# Altium PCB matrix.PcbDoc (part 3 of 5)
Units mm, origin at the board's own origin, x right, y up, seen from the top; angles counter-clockwise.
Board outline 350 x 105 mm, 2 copper layers (Top Layer, Bottom Layer), stack 1.571 mm thick; 187 components, 143 nets, 1443 pads, 602 vias.
Unrouted connection lines stored in the file: 3.
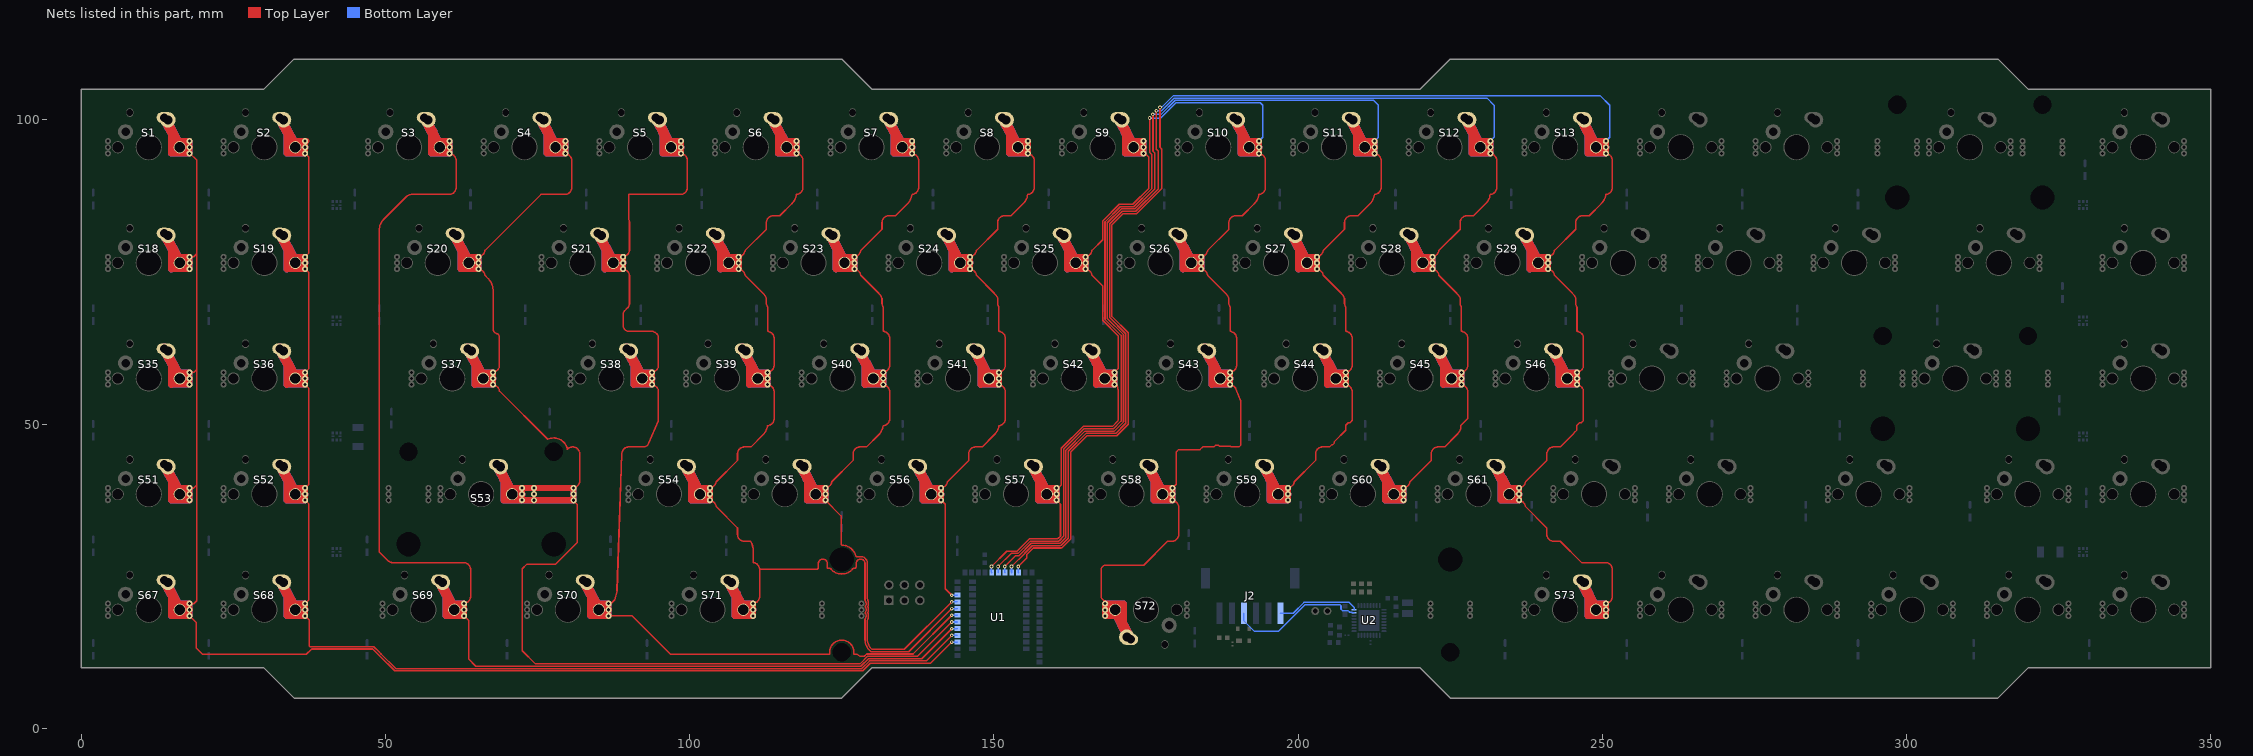
[diagram p3: the nets of this part, all layers, seen from the top]

## Footprints (in the part's own frame and the unit in brackets; to place one, negate y for a bottom-side part, rotate by r counter-clockwise, add the part's x,y. Pads: shape width x height; smd on the part's side, far side on the other; paste and mask are expansions set on the pad) (continued)
HOLYIOT-21069-NRF5340 [mm]
  rect 1x0.8 smd: 1(-6.75,6.25) 2(-6.75,5.15) 3(-6.75,4.05) 4(-6.75,2.95) 5(-6.75,1.85) 6(-6.75,0.75) 7(-6.75,-0.35) 8(-6.75,-1.45) 9(-6.75,-2.55) 10(-6.75,-3.65) 11(-6.75,-4.75) 12(-6.75,-5.85) 24(6.75,-5.85) 25(6.75,-4.75) 26(6.75,-3.65) 27(6.75,-2.55) 28(6.75,-1.45) 29(6.75,-0.35) 30(6.75,0.75) 31(6.75,1.85) 32(6.75,2.95) 33(6.75,4.05) 34(6.75,5.15) 35(6.75,6.25) 36(6.75,7.35)
  rect 0.8x1 smd: 13(-5.5,-7.35) 14(-4.4,-7.35) 15(-3.3,-7.35) 16(-2.2,-7.35) 17(-1.1,-7.35) 18(0,-7.35) 19(1.1,-7.35) 20(2.2,-7.35) 21(3.3,-7.35) 22(4.4,-7.35) 23(5.5,-7.35)
  rect 1.1x0.8 smd: 37(-4.25,5.15) 38(-4.25,4.05) 39(-4.25,2.95) 40(-4.25,1.85) 41(-4.25,0.75) 42(-4.25,-0.35) 43(-4.25,-1.45) 44(-4.25,-2.55) 45(-4.25,-3.65) 46(-4.25,-4.75) 47(-4.25,-5.85) 48(4.55,-5.85) 49(4.55,-4.75) 50(4.55,-3.65) 51(4.55,-2.55) 52(4.55,-1.45) 53(4.55,-0.35) 54(4.55,0.75) 55(4.55,1.85) 56(4.55,2.95) 57(4.55,4.05) 58(4.55,5.15)
  Keep-Out Layer region: -6.75,11.65 6.75,11.65 6.75,8.2 -6.75,8.2
  silkscreen extent -6.75,-7.35 6.75,11.65, body extent -6.75,-7.35 6.75,11.65, height 0.25
INDC2016X10N [mm] "Chip Inductor, 2-Leads, Body 2.00x1.60mm, IPC Medium Density"
  rect 1.13x1.82 smd: 1(-0.885,0) 2(0.885,0)
  silkscreen extent -1.65,-1.14 1.65,1.14, body extent -1.1,-0.9 1.1,0.9, height 1
JST-S6B-PH-SM4-TB(LF)(SN)_V [mm] "SMD, 2-Leads, Body 15.9x7.6mm, Pitch 2mm"
  rect 1x3.5 smd: 1(-5,2.875) 2(-3,2.875) 3(-1,2.875) 4(1,2.875) 5(3,2.875) 6(5,2.875)
  rect 1.5x3.4 smd: MP1(-7.35,-2.875) MP2(7.35,-2.875)
  silkscreen extent -7.95,-4.37 7.95,3.23, body extent -7.95,-4.38 7.95,4.22, height 5.6
LED_APA-102-2020-256-8 [mm]
  rect 0.5x0.37 smd: 1(-0.585,0) 2_1(-0.585,0.64) 3(0.585,0) 4(-0.585,-0.64) 5_2(0.585,0.64) 6(0.585,-0.64)
  rect 0.25x0.5 smd: 2_2(0,0.575) 5_1(0,-0.575)
  silkscreen extent -1,-1.14 1,1.14, body extent -1,-1 1,1, height 0.75
Nordic_QFN50P500X500X90-33N [mm]
  oval 0.85x0.3 smd mask+0.076: 1(-2.45,1.75) 2(-2.45,1.25) 3(-2.45,0.75) 4(-2.45,0.25) 5(-2.45,-0.25) 6(-2.45,-0.75) 7(-2.45,-1.25) 8(-2.45,-1.75) 17(2.45,-1.75) 18(2.45,-1.25) 19(2.45,-0.75) 20(2.45,-0.25) 21(2.45,0.25) 22(2.45,0.75) 23(2.45,1.25) 24(2.45,1.75)
  oval 0.3x0.85 smd mask+0.076: 9(-1.75,-2.45) 10(-1.25,-2.45) 11(-0.75,-2.45) 12(-0.25,-2.45) 13(0.25,-2.45) 14(0.75,-2.45) 15(1.25,-2.45) 16(1.75,-2.45) 25(1.75,2.45) 26(1.25,2.45) 27(0.75,2.45) 28(0.25,2.45) 29(-0.25,2.45) 30(-0.75,2.45) 31(-1.25,2.45) 32(-1.75,2.45)
  rect 3.5x3.5 smd: 33(0,0)
  silkscreen extent -2.57,-2.57 2.57,2.57, body extent -2.5,-2.5 2.5,2.5, height 0.9
RESC0603X03L_C [mm]
  rect 0.27x0.3 smd: 1(-0.285,0) 2(0.285,0)
  body extent -0.3,-0.15 0.3,0.15, height 0.23

## Part data
C1 C5 C10 C12: library part C0603-1µ0-10V-X5R, "Capacitor, Ceramic, 1.0µF 10V X5R 0603,±10%", Manufacturer=N.A., Part number NEMS=100200528, Artikkelnr Noca=N.A., Author=getr, Component Class=Capacitors, Component Status=Active, ComponentLink1Description=Datasheet, ComponentLink1URL=N.A., ComponentLink2Description="Supplier link", ComponentLink2URL=N.A., Footprint Doc=0603, HelpURL=N.A., LatestRevisionDate=2022-10-06, Manufacturer Part Number=N.A., Note=10V, Pad Count=2, Part Number=C0603-1µ0-10V-X5R, Part number IPS=N.A., Part number Norautron=N.A., PartId=100200528, Published=2022-10-06, Supplier 1=N.A., Supplier 2=N.A., Supplier Part Number 1=N.A., Supplier Part Number 2=N.A.
C2 C4 C7: library part C0603-10µ, "Capacitor, X5R, ±20%", Manufacturer=N.A., Part number IPS=00000007785, Part number NEMS=100200275, Artikkelnr Noca=20039234, Author=rsk, Component Class=Capacitors, Component Status=Active, ComponentLink1Description=Datasheet, ComponentLink1URL=N.A., ComponentLink2Description="Supplier link", ComponentLink2URL=N.A., Footprint Doc=0603, HelpURL=N.A., LatestRevisionDate=2011-01-17, Manufacturer Part Number=N.A., Note=6.3V, Pad Count=2, Part Number=C0603-10µ, Part number Norautron=N.A., PartId=100200275, Published=2011-01-17, Supplier 1=N.A., Supplier 2=N.A., Supplier Part Number 1=N.A., Supplier Part Number 2=N.A.
C6: library part C0603-2.2µ-16V-X7R, "Capacitor, Ceramic, X7R, ±10%, 16V", Manufacturer="Taiyo Yuden", Manufacturer Part Number=EMK107BB7225KA-T, Part number IPS=N.A., Part number NEMS=100200439, Supplier Part Number 1=587-5835-2-ND, Artikkelnr Noca=N.A., Author=rsk, Component Class=Capacitors, Component Status=Active, ComponentLink1Description=Datasheet, ComponentLink1URL=https://ds.yuden.co.jp/TYCOMPAS/ut/specSheet?pn=EMK107BB7225KA-T, ComponentLink2Description="Supplier link", ComponentLink2URL=https://ds.yuden.co.jp/TYCOMPAS/ut/detail?pn=EMK107BB7225KA-T&u=M, Footprint Doc=0603, HelpURL=https://www.digikey.no/product-detail/en/taiyo-yuden/EMK107BB7225KA-T/587-5835-2-ND/4970646, LatestRevisionDate=2020-10-13, Note=16V, Pad Count=2, Part Number=C0603-2.2µ-16V-X7R, Part number Norautron=N.A., PartId=100200439, Published=2020-02-03, Supplier 1=Digi-Key, Supplier 2=N.A., Supplier Part Number 2=N.A.
C9 C11: library part C0201-100n, "Capacitor, X5R, ±10%", Manufacturer=N.A., Part number IPS="00000001248, 00000002505", Part number NEMS=100200078, Part number Norautron=262071862, Artikkelnr Noca=N.A., Author=rsk, Component Class=Capacitors, Component Status=Active, ComponentLink1Description=Datasheet, ComponentLink1URL=N.A., ComponentLink2Description="Supplier link", ComponentLink2URL=N.A., Footprint Doc=0201, HelpURL=N.A., LatestRevisionDate=2017-11-09, Manufacturer Part Number=N.A., Note=16V, Pad Count=2, Part Number=C0201-100n, PartId=100200078, Published=2014-11-13, Supplier 1=N.A., Supplier 2=N.A., Supplier Part Number 1=N.A., Supplier Part Number 2=N.A.
C13 C14: library part CMP-06035-028924-1, "Chip Multilayer Ceramic Capacitors for General Purpose, 1206, 100uF, X5R, 15%, 20%, 10V"
D0: library part CMP-00030-00001-1, "Trans Voltage Suppressor Diode, 5.5V V(RWM), Unidirectional, 1 Element, Silicon", Case Connection=ANODE, Max Breakdown Voltage=9V, Min Breakdown Voltage=6V, Package Body Material=Plastic, Package Shape=Rectangular, Package Style="SMALL OUTLINEMeter", Peak Reflow Temperature (Cel)=260°C, Rep Pk Reverse Voltage-Max=5.5V, Time @ Peak Reflow Temperature-Max (s)=30s, Diode Element Material=SILICON, Diode Type="TRANS VOLTAGE SUPPRESSOR", JESD-30 Code=R-PDSO-G4, JESD-609 Code=e3, Moisture Sensitivity Level=1, Number of Elements=1, Pins=4, Polarity=Unidirectional, Reach SVHC Compliant=Yes, RoHS Compliant=Yes, Surface Mount=Yes, Technology=AVALANCHE, Terminal Finish=Tin, Terminal Form="Gull Wing", Terminal Position=DUAL
D1 D2 D3 D4 D5 D6 D7 D8 D9 D10 D11 D12 D13 D14 D15 D16 D17 D18 D19 D20 D21 D22 D23 D24 D25 D26 D27 D28 D29 D30 D31 D32 D33 D34 D35 D36 D37 D38 D39 D40 D41 D42 D43 D44 D45 D46 D47 D48 D49 D50 D51 D52 D53 D54 D55 D56 D57 D58 D59 D60 D61 D62 D63 D64 D65 D66 D67 D68 D69 D70 D71 D72 D73 D74 D75 D76 D77 D78: library part 1N4148, "Diode"
J1: "No Description Available", Mfr_Name=JST, RefDes=RefDes, Type=Type
J2: library part S6B-PH-SM4-TB, "Male Header, Pitch 2 mm, 1 x 6 Position, Height 5.5 mm, -25 to 85 degC", Manufacturer=JST, Package Description="Male Header, Pitch 2 mm, 1 x 6 Position, Height 5.5 mm", Datasheet URL=https://datasheet.ciiva.com/11747/0900766b80df0d9d-11747278.pdf, Datasheet Version=11/2008, Manufacturer URL=http://www.jst.com/home2.html, Mounting Technology=SurfaceMount, No of Positions=6, Package Reference=S6B-PH-SM4-TB(LF)(SN), Pitch=2mm, Style/Orientation=RightAngleHeader/Plug, Termination=Solder, Type=ShroudedHeader
J3: library part CMP-2000-06636-2, "CONN HEADER VERT 6POS 2.54MM", Current Rating=3A, Manufacturer=Harwin, Temperature="-40°C to +105°C", Temperature Range High=+105°C, Temperature Range Low=-40°C, Automotive=No, Category=Conn, ComponentLink2Description=Datasheet, ComponentLink2URL=https://cdn.harwin.com/pdfs/M20-998.pdf, Conn Gender=Male, Conn Orientation=Vertical, Contact Material=Tin,Nickel, Device Class L1=Connectors, Device Class L2="Headers and Wire Housings", Device Class L3=unset, Digikey Description="CONN HEADER VERT 6POS 2.54MM", Height=8.99mm, Lead Free=Yes, Manufacturer Part Number=M20-9980346, Mouser Description="2.54mm (0.1\") Pitch DIL Vertical PC Tail Pin Header, 6.1mm mating pin height, tin, 3+3 contacts", Number Of Contacts=6, Number Of Rows=2, Octopart=https://octopart.com/m20-9980346-harwin-5436545, Package=M20-9980346, Pitch=2.54mm, RoHS=TRUE
L1: library part L0806-2µ2-2500mA-73mOhm-CIGT201610EH2R2MNE, "Inductor, Irms=2.5A, Isat=2.9A, ±20%, DCR=73mΩ", Manufacturer="Samsung Electro-Mechanics", Manufacturer Part Number=CIGT201610EH2R2MNE, Part number IPS=N.A., Part number NEMS=100300400, Part number Norautron=26521789, Supplier Part Number 1=1276-6901-1-ND, Artikkelnr Noca=N.A., Author=rsk, Component Class=Inductors, Component Status=Active, ComponentLink1Description=Datasheet, ComponentLink1URL=https://media.digikey.com/pdf/Data%20Sheets/Samsung%20PDFs/CIGT201610EH2R2MNE_Spec.pdf, ComponentLink2Description="Supplier link", ComponentLink2URL=https://www.digikey.com/en/products/detail/samsung-electro-mechanics/CIGT201610EH2R2MNE/7041223?s=N4IgTCBcDaIMIEkDiAVMAGAjANk%2BgogBJgBKYAsgHL4gC6AvkA, Footprint Doc=0806, HelpURL=http://product.samsungsem.com/pi/CIGT201610EH2R2MN.do, LatestRevisionDate=2022-09-07, Note="Unshielded Thin Film Inductor", Pad Count=2, Part Number=L0806-2µ2-2500mA-73mOhm-CIGT201610EH2R2MNE, PartId=100300400, Published=2021-02-03, Supplier 1=Digi-Key, Supplier 2=Mouser, Supplier Part Number 2=187-CIGT201610EH2R2M
LED1 LED2 LED3 LED4 LED5 LED6 LED7 LED8: "8-pin type LED three-color RGB Dimming control", Package="SMD-8 iPixel LED Light Co.", Availability="Not in stock", Check_prices=https://www.snapeda.com/parts/APA-102-2020-256-8/iPixel+LED+Light+Co./view-part/?ref=eda, MF="iPixel LED Light Co.", MP=APA-102-2020-256-8, Price=None, SnapEDA_Link=https://www.snapeda.com/parts/APA-102-2020-256-8/iPixel+LED+Light+Co./view-part/?ref=snap
R1: library part R0201-150k, "Resistor, ±1%, 0.05W", Manufacturer=N.A., Part number IPS=00000001422, Part number NEMS=100100082, Artikkelnr Noca=N.A., Author=rsk, Component Class=Resistors, Component Status=Active, ComponentLink1Description=Datasheet, ComponentLink1URL=N.A., ComponentLink2Description="Supplier link", ComponentLink2URL=N.A., Footprint Doc=0201, HelpURL=N.A., LatestRevisionDate=2014-11-13, Manufacturer Part Number=N.A., Note="Chip Res 1%", Pad Count=2, Part Number=R0201-150k, Part number Norautron=N.A., PartId=100100082, Published=2014-11-13, Supplier 1=N.A., Supplier 2=N.A., Supplier Part Number 1=N.A., Supplier Part Number 2=N.A.
S1 S2 S3 S4 S5 S6 S7 S8 S9 S10 S11 S12 S13 S14 S15 S16 S17 S18 S19 S20 S21 S22 S23 S24 S25 S26 S27 S28 S29 S30 S31 S32 S33 S34 S35 S36 S37 S38 S39 S40 S41 S42 S43 S44 S45 S46 S47 S48 S49 S50 S51 S52 S53 S54 S55 S56 S57 S58 S59 S60 S61 S62 S63 S64 S65 S66 S67 S68 S69 S70 S71 S72 S73 S74 S75 S76 S77 S78: "Switch", LatestRevisionDate=17-Jul-2002, LatestRevisionNote="Re-released for DXP Platform.", PackageDescription="Switch; 2 Leads", PackageReference=SPST-2, Published=24-Mar-1999, Publisher="Altium Limited"
U2: "Li-Ion/Li-Polymer USB-C battery charger with high efficiency buck regulators, LDOs or load switches, LED drivers, TWI and VBUSOUT", Manufacturer="Nordic Semiconductor", Part number IPS=N.A., Part number NEMS=102000252, Artikkelnr Noca=N.A., Author=eisk, Component Class=nRF_Devices, Component Status=Active, ComponentLink1Description=Datasheet, ComponentLink1URL=N.A., ComponentLink2Description="Supplier link", ComponentLink2URL=N.A., Footprint Doc=QFN-32, HelpURL=N.A., LatestRevisionDate=2022-11-14, Manufacturer Part Number=nPM1300-QEAA, Note=N.A., Pad Count=33, Part Number=nPM1300-QEAA, Part number Norautron=N.A., PartId=102000252, Published=2022-02-17, Supplier 1="Nordic Semiconductor", Supplier 2=N.A., Supplier Part Number 1=nPM1300-QEAA, Supplier Part Number 2=N.A.

## Via types
v1: diameter 0.6, hole 0.3, Top Layer to Bottom Layer, tented both sides, 571 vias
v2: diameter 1.57, hole 1.02, Top Layer to Bottom Layer, tented both sides, 15 vias
v3: diameter 0.61, hole 0.305, Top Layer to Bottom Layer, 9 vias
v4: diameter 0.6, hole 0.3, Top Layer to Bottom Layer, 4 vias
v5: diameter 1.27, hole 0.711, Top Layer to Bottom Layer, tented both sides, 3 vias

## Nets (pads, with @x,y where several pads share a name; then routed paths per layer and width w, separated by ;. In a path a pad name is that pad's centre, name@x,y a point inside that pad or via, vN(x,y) a via of type N, cw(c..) or ccw(c..) an arc to the next point about the centre after c; other vN are vias at no path point)
CC1: J2.3 U2.23 | length 22.8
  Bottom Layer w0.254: J2.3@191.1,18.925 191.1,17.675 192.829,15.946 196.746,15.946 201.119,20.319 206.897,20.319 207.046,20.17 207.046,19.595 207.273,19.368 208.191,19.368 208.463,19.096 208.817,19.096 208.913,19 U2.23@209.2,19
CC2: J2.6 U2.24 | length 13.6
  Bottom Layer w0.254: J2.6@197.1,18.925 199.186,18.925 200.961,20.7 207.191,20.7 207.195,20.704 208.396,20.704 209.2,19.9 U2.24@209.2,19.5
"Col 0": S1.2 S18.2 S35.2 S51.2 S67.2 U1.3 | length 215.6
  Top Layer w0.254: S67.2@17.825,18.502 18.934,17.393 18.934,13.204 19.963,12.175 37.026,12.175 37.906,13.056 47.944,13.056 48.603,12.397 48.603,12.383 49.13,11.855 49.145,11.855 51.538,9.462 128.461,9.462 129.707,10.708 139.594,10.708 v1(143.077,14.191) ; S67.2@17.825,20.502 18.502,20.502 19,21 19,40 ; S51.2@17.825,39.502 18.502,39.502 19,40 ; S35.2@17.825,58.502 18.502,58.502 19,59 ; S18.2@17.825,77.502 18.502,77.502 19,78 ; S1.2@17.825,94.575 19,93.4 19,78 ; S1.2@17.825,95.502 S1.2@17.825,96.502 ; 19,40 19,59 ; 19,59 19,78
  Bottom Layer w0.254: v1(143.077,14.191) U1.3@143.977,14.191
"Col 1": S2.2 S19.2 S36.2 S52.2 S68.2 U1.4 | length 185.8
  Top Layer w0.254: S68.2@36.825,18.502 37.476,17.851 37.476,13.585 37.624,13.437 48.102,13.437 48.984,12.555 48.984,12.54 49.288,12.236 49.303,12.236 51.696,9.843 128.303,9.843 129.549,11.089 138.875,11.089 v1(143.077,15.291) ; S68.2@36.825,20.502 37.452,21.129 37.452,36.875 S52.2@36.825,37.502 ; S52.2@36.825,39.502 37.452,40.129 37.452,55.875 S36.2@36.825,56.502 ; S36.2@36.825,58.502 37.452,59.129 37.452,74.875 S19.2@36.825,75.502 ; S19.2@36.825,77.502 37.452,78.129 37.452,93.875 S2.2@36.825,94.502
  Top Layer w1: S2.2@36.825,96.502 S2.2@37.08,96.502
  Bottom Layer w0.254: v1(143.077,15.291) U1.4@143.977,15.291
"Col 2": S3.2 S69.2 U1.5 | length 188.4
  Top Layer w0.254: S3.2@60.575,94.502 60.825,94.406 cw(c60.554,93.702) 60.843,94.399 60.99,94.338 cw(c60.701,93.641) 61.236,94.174 61.346,94.063 cw(c60.814,93.529) 61.511,93.817 61.571,93.67 cw(c60.875,93.382) 61.629,93.382 61.629,88.823 cw(c60.875,88.823) 61.571,88.534 61.51,88.386 cw(c60.814,88.676) 61.346,88.142 61.236,88.031 cw(c60.701,88.563) 60.99,87.867 60.843,87.806 cw(c60.554,88.502) 60.554,87.748 54.235,87.748 ccw(c54.235,86.748) 53.529,87.456 49.744,83.671 ccw(c51.54,81.875) 49,81.875 49,29 50.451,27.549 ccw(c51.158,28.256) 51.158,27.256 62.93,27.256 cw(c62.93,26.502) 63.218,27.199 63.365,27.138 cw(c63.077,26.441) 63.611,26.974 63.721,26.863 cw(c63.189,26.329) 63.886,26.617 63.947,26.47 cw(c63.25,26.182) 64.004,26.182 64.004,21.623 cw(c63.25,21.623) 63.947,21.334 63.886,21.186 cw(c63.189,21.476) 63.721,20.942 63.611,20.831 cw(c63.077,21.363) 63.365,20.667 63.218,20.606 cw(c62.93,21.302) 63.2,20.599 S69.2@62.95,20.502 ; S69.2@62.95,18.502 63.7,17.753 63.7,11.4 64.876,10.224 128.145,10.224 129.391,11.47 138.156,11.47 v1(143.077,16.391)
  Bottom Layer w0.254: v1(143.077,16.391) U1.5@143.977,16.391
"Col 3": S4.2 S20.2 S37.2 S53.2 U1.6 | length 178.2
  Top Layer w0.254: S20.2@65.325,75.502 65.374,75.453 cw(c65.305,74.702) 65.593,75.399 65.74,75.338 cw(c65.452,74.641) 65.986,75.174 66.096,75.063 cw(c65.564,74.529) 66.261,74.817 66.322,74.67 cw(c65.625,74.382) 66.376,74.452 66.956,73.871 cw(c65.16,72.075) 67.7,72.075 67.7,65.657 67.7,65.656 ccw(c68.493,65.656) 68.275,64.893 68.487,64.833 68.537,64.783 68.553,64.767 cw(c67.939,64.329) 68.636,64.617 68.697,64.47 cw(c68,64.182) 68.754,64.182 68.754,59.623 cw(c68,59.623) 68.697,59.334 68.636,59.187 cw(c67.939,59.476) 68.471,58.942 68.361,58.831 cw(c67.827,59.363) 68.115,58.667 67.968,58.606 cw(c67.68,59.302) 67.7,58.549 S37.2@67.7,58.502 ; S20.2@65.325,77.502 65.374,77.552 ccw(c65.305,78.302) 65.593,77.606 65.74,77.667 ccw(c65.452,78.363) 65.986,77.831 66.096,77.942 ccw(c65.564,78.476) 66.261,78.187 66.322,78.334 ccw(c65.625,78.623) 66.376,78.553 75.571,87.748 79.554,87.748 ccw(c79.554,88.502) 79.843,87.806 79.99,87.867 ccw(c79.701,88.563) 80.236,88.031 80.346,88.142 ccw(c79.814,88.676) 80.511,88.387 80.571,88.534 ccw(c79.875,88.823) 80.629,88.823 80.629,93.382 ccw(c79.875,93.382) 80.571,93.67 80.511,93.817 ccw(c79.814,93.529) 80.346,94.063 80.236,94.174 ccw(c79.701,93.641) 79.99,94.338 79.843,94.399 ccw(c79.554,93.702) 79.575,94.456 S4.2@79.575,94.502 ; S37.2@67.7,56.502 67.749,56.453 cw(c67.68,55.702) 67.968,56.399 68.115,56.338 cw(c67.827,55.641) 68.361,56.174 68.471,56.063 cw(c67.939,55.529) 68.636,55.817 68.697,55.67 cw(c68,55.382) 68.751,55.452 76.694,47.508 cw(c77.688,45.485) 79.911,45.853 cw(c80.451,45.326) 79.919,45.86 80.03,45.971 cw(c80.564,45.439) 80.275,46.135 80.422,46.196 cw(c80.711,45.5) 80.711,46.254 80.87,46.254 cw(c80.87,45.5) 81.158,46.196 81.305,46.135 cw(c81.017,45.439) 81.55,45.972 81.663,45.859 cw(c81.129,45.326) 81.826,45.615 81.887,45.468 cw(c81.19,45.179) 81.944,45.179 81.944,45.102 cw(c81.19,45.1) 81.944,45.1 81.944,40.622 cw(c81.19,40.622) 81.887,40.334 81.826,40.187 cw(c81.129,40.475) 81.662,39.941 81.551,39.831 cw(c81.017,40.363) 81.305,39.666 81.158,39.605 cw(c80.87,40.302) 80.95,39.552 S53.2@80.95,39.5 ; S53.2@80.95,37.5 80.95,37.388 81.517,36.821 81.517,30.517 78.005,27.005 73.275,27.005 72.496,26.226 72.496,12.778 74.669,10.605 127.987,10.605 129.233,11.851 137.437,11.851 v1(143.077,17.491)
  Bottom Layer w0.254: v1(143.077,17.491) U1.6@143.977,17.491
"Col 4": S5.2 S21.2 S38.2 S70.2 U1.7 | length 157.4
  Top Layer w0.254: S70.2@86.7,18.502 90.522,18.502 96.851,12.173 122.874,12.173 ccw(c122.874,12.303) 123.004,12.303 123.004,12.432 cw(c125.002,12.515) 127.001,12.431 127.001,12.303 ccw(c127.13,12.303) 127.13,12.173 127.537,12.173 127.993,11.851 128.054,11.851 128.694,11.851 129.075,12.232 136.718,12.232 v1(143.077,18.591) ; S70.2@86.7,20.502 87.032,20.502 87.693,21.163 88.075,22.626 88.871,45.206 cw(c89.625,45.182) 88.928,45.47 88.945,45.512 88.989,45.617 cw(c89.686,45.329) 89.154,45.863 89.264,45.974 cw(c89.798,45.441) 89.51,46.138 89.657,46.199 cw(c89.945,45.502) 89.945,46.256 92.381,46.256 ccw(c92.381,47.256) 93.305,46.874 94.821,50.534 ccw(c94.125,50.823) 94.879,50.823 94.879,55.382 ccw(c94.125,55.382) 94.821,55.67 94.761,55.817 ccw(c94.064,55.529) 94.596,56.063 94.486,56.174 ccw(c93.951,55.641) 94.24,56.338 94.093,56.399 ccw(c93.804,55.702) 94.075,56.406 S38.2@93.825,56.502 ; S21.2@89.075,75.502 89.325,75.406 cw(c89.054,74.702) 89.343,75.399 89.49,75.338 cw(c89.201,74.641) 89.736,75.174 89.846,75.063 cw(c89.314,74.529) 90.011,74.817 90.071,74.67 cw(c89.375,74.382) 90.129,74.382 90.129,69.823 cw(c89.375,69.823) 90.071,69.534 90.01,69.386 cw(c89.314,69.676) 89.846,69.142 89.736,69.031 cw(c89.201,69.563) 89.735,69.03 89.368,68.663 ccw(c90.075,67.956) 89.075,67.956 89.075,66.256 ccw(c90.075,66.256) 90.075,65.256 93.804,65.256 cw(c93.804,64.502) 94.093,65.199 94.24,65.138 cw(c93.951,64.441) 94.486,64.974 94.596,64.863 cw(c94.064,64.329) 94.761,64.617 94.821,64.47 cw(c94.125,64.182) 94.879,64.182 94.879,59.623 cw(c94.125,59.623) 94.821,59.334 94.76,59.186 cw(c94.064,59.476) 94.596,58.942 94.486,58.831 cw(c93.951,59.363) 94.24,58.667 94.093,58.606 cw(c93.804,59.302) 94.074,58.598 S38.2@93.826,58.503 ; S21.2@89.075,77.502 89.339,77.502 89.514,77.677 ccw(c89.201,78.363) 89.736,77.831 89.846,77.942 ccw(c89.314,78.476) 90,78.163 ccw(c89.314,78.476) 90.011,78.187 90.071,78.334 ccw(c89.375,78.623) 90.129,78.623 90.129,83.182 ccw(c89.375,83.182) 90.071,83.47 90.011,83.617 ccw(c89.314,83.329) 90,83.642 90,87.748 98.554,87.748 ccw(c98.554,88.502) 98.843,87.806 98.99,87.867 ccw(c98.701,88.563) 99.236,88.031 99.346,88.142 ccw(c98.814,88.676) 99.511,88.387 99.571,88.534 ccw(c98.875,88.823) 99.629,88.823 99.629,93.382 ccw(c98.875,93.382) 99.571,93.67 99.511,93.817 ccw(c98.814,93.529) 99.346,94.063 99.236,94.174 ccw(c98.701,93.641) 98.99,94.338 98.843,94.399 ccw(c98.554,93.702) 98.554,94.456 98.552,94.456 S5.2@98.575,94.502
  Bottom Layer w0.254: v1(143.077,18.591) U1.7@143.977,18.591
"Col 5": S6.2 S22.2 S39.2 S54.2 S71.2 U1.8 | length 141.3
  Top Layer w0.254: S54.2@103.325,37.502 103.374,37.453 cw(c103.304,36.702) S54.2@103.593,37.399 ; S54.2@103.325,39.502 103.374,39.552 ccw(c103.304,40.302) 103.593,39.606 103.74,39.667 ccw(c103.451,40.363) 103.986,39.831 104.096,39.942 ccw(c103.564,40.476) 104.261,40.187 104.321,40.334 ccw(c103.625,40.623) 104.376,40.553 107.871,44.048 107.871,45.182 cw(c108.625,45.182) 107.928,45.47 107.989,45.617 cw(c108.686,45.329) 108.154,45.863 108.264,45.974 cw(c108.798,45.441) 108.51,46.138 108.657,46.199 cw(c108.945,45.502) 108.945,46.256 110.079,46.256 112.081,48.258 ccw(c110.285,50.054) 112.806,49.748 ccw(c112.804,50.502) 113.093,49.806 113.24,49.867 ccw(c112.951,50.563) 113.486,50.031 113.596,50.142 ccw(c113.064,50.676) 113.761,50.387 113.821,50.534 ccw(c113.125,50.823) 113.879,50.823 113.879,55.382 ccw(c113.125,55.382) 113.821,55.67 113.761,55.817 ccw(c113.064,55.529) 113.596,56.063 113.486,56.174 ccw(c112.951,55.641) 113.24,56.338 113.093,56.399 ccw(c112.804,55.702) 112.825,56.456 S39.2@112.825,56.502 ; S54.2@103.74,37.338 cw(c103.451,36.641) 103.986,37.174 104.096,37.063 cw(c103.564,36.529) 104.261,36.817 104.321,36.67 cw(c103.625,36.382) 104.376,36.452 107.871,32.956 107.871,31.823 ccw(c108.625,31.823) 107.928,31.534 107.989,31.387 ccw(c108.686,31.676) 108.154,31.142 108.264,31.031 ccw(c108.798,31.563) 108.51,30.867 108.657,30.806 ccw(c108.945,31.502) 108.945,30.748 110.014,30.748 cw(c107.91,29.325) 110.45,29.325 110.45,27.256 cw(c110.43,26.502) 110.718,27.199 110.865,27.138 cw(c110.577,26.441) 111.111,26.974 111.221,26.863 cw(c110.689,26.329) 111.386,26.617 111.447,26.47 cw(c110.75,26.182) 111.504,26.182 ; S22.2@108.075,75.502 108.124,75.453 cw(c108.054,74.702) 108.343,75.399 108.49,75.338 cw(c108.201,74.641) 108.736,75.174 108.846,75.063 cw(c108.314,74.529) 109.011,74.817 109.071,74.67 cw(c108.375,74.382) 109.126,74.452 112.081,71.496 cw(c110.285,69.7) 112.621,70.698 112.621,69.823 ccw(c113.375,69.823) 112.678,69.534 112.739,69.387 ccw(c113.436,69.676) 112.825,69.234 112.825,65.256 cw(c112.804,64.502) 113.093,65.199 113.24,65.138 cw(c112.951,64.441) 113.486,64.974 113.596,64.863 cw(c113.064,64.329) 113.761,64.617 113.821,64.47 cw(c113.125,64.182) 113.879,64.182 113.879,59.623 cw(c113.125,59.623) 113.821,59.334 113.761,59.187 cw(c113.064,59.476) 113.596,58.942 113.486,58.831 cw(c112.951,59.363) 113.24,58.667 113.093,58.606 cw(c112.804,59.302) 112.825,58.549 S39.2@112.825,58.502 ; S22.2@108.075,77.502 108.124,77.552 ccw(c108.054,78.302) 108.343,77.606 108.49,77.667 ccw(c108.201,78.363) 108.736,77.831 108.846,77.942 ccw(c108.314,78.476) 109.011,78.187 109.071,78.334 ccw(c108.375,78.623) 109.126,78.553 112.621,82.048 112.621,83.182 cw(c113.375,83.182) 112.678,83.47 112.739,83.617 cw(c113.436,83.329) 112.904,83.863 113.014,83.974 cw(c113.548,83.441) 113.26,84.138 113.407,84.199 cw(c113.695,83.502) 113.695,84.256 114.829,84.256 116.831,86.258 ccw(c115.035,88.054) 117.556,87.748 ccw(c117.554,88.502) 117.843,87.806 117.99,87.867 ccw(c117.701,88.563) 118.236,88.031 118.346,88.142 ccw(c117.814,88.676) 118.511,88.387 118.571,88.534 ccw(c117.875,88.823) 118.629,88.823 118.629,93.382 ccw(c117.875,93.382) 118.571,93.67 118.511,93.817 ccw(c117.814,93.529) 118.346,94.063 118.236,94.174 ccw(c117.701,93.641) 117.99,94.338 117.843,94.399 ccw(c117.554,93.702) 117.575,94.456 S6.2@117.575,94.502 ; S71.2@110.45,20.502 110.45,20.549 ccw(c110.43,21.302) S71.2@110.718,20.606 ; S71.2@110.865,20.667 ccw(c110.577,21.363) 111.111,20.831 111.221,20.942 ccw(c110.689,21.476) 111.386,21.187 111.447,21.334 ccw(c110.75,21.623) 111.504,21.623 111.504,26.182 ; v1(143.077,19.691) 135.999,12.613 129.836,12.613 cw(c131.367,14.64) 128.827,14.601 128.827,17.378 128.827,17.915 cw(c129.081,17.915) 128.874,18.062 ccw(c128.26,18.5) 128.914,18.876 cw(c129.135,19) 128.914,19.125 ccw(c128.26,19.5) 128.914,19.875 cw(c129.135,20) 128.914,20.125 ccw(c128.26,20.5) 128.873,20.938 cw(c129.081,21.085) 128.827,21.085 128.827,21.618 128.827,21.698 128.827,26.3 128.827,27.179 ccw(c128.5,27.179) 128.802,27.304 128.741,27.451 ccw(c128.439,27.326) 128.669,27.558 128.558,27.669 ccw(c128.326,27.439) 128.451,27.741 128.304,27.802 ccw(c128.179,27.5) 128.179,27.827 128.02,27.827 ccw(c128.02,27.5) 127.895,27.802 127.748,27.741 ccw(c127.873,27.439) 127.641,27.669 127.53,27.558 ccw(c127.761,27.326) 127.458,27.451 127.398,27.304 ccw(c127.7,27.179) 127.373,27.179 127.373,26.575 cw(c127.119,26.575) 127.119,26.321 127.019,26.321 ccw(c127.02,26.067) 126.826,26.231 cw(c125.002,27.755) 123.179,26.23 ccw(c122.984,26.067) 122.986,26.321 122.627,26.321 122.627,27.179 ccw(c122.3,27.179) 122.602,27.304 122.541,27.451 ccw(c122.239,27.326) 122.47,27.558 122.359,27.669 ccw(c122.127,27.439) 122.252,27.741 122.105,27.802 ccw(c121.98,27.5) 121.98,27.827 121.82,27.827 ccw(c121.82,27.5) 121.695,27.802 121.548,27.741 ccw(c121.673,27.439) 121.442,27.669 121.33,27.558 ccw(c121.561,27.326) 121.259,27.451 121.198,27.304 ccw(c121.5,27.179) 121.173,27.179 121.173,26.436 cw(c120.919,26.436) 120.919,26.182 111.504,26.182
  Bottom Layer w0.254: v1(143.077,19.691) U1.8@143.977,19.691
"Col 6": S7.2 S23.2 S40.2 S55.2 U1.9 | length 111.8
  Top Layer w0.254: S55.2@122.325,37.502 124.9,34.927 124.9,30.382 124.9,30.281 124.969,30.207 ccw(c125.154,30.382) 124.98,30.196 125.049,30.132 125.095,30.13 cw(c125.002,27.755) 127.293,28.392 ccw(c127.537,28.462) 127.534,28.208 128.437,28.208 128.643,28.122 ; S55.2@122.325,39.502 122.374,39.552 ccw(c122.304,40.302) 122.593,39.606 122.74,39.667 ccw(c122.451,40.363) 122.986,39.831 123.096,39.942 ccw(c122.564,40.476) 123.261,40.187 123.321,40.334 ccw(c122.625,40.623) 123.376,40.553 126.871,44.048 126.871,45.182 cw(c127.625,45.182) 126.928,45.47 126.989,45.617 cw(c127.686,45.329) 127.154,45.863 127.264,45.974 cw(c127.798,45.441) 127.51,46.138 127.657,46.199 cw(c127.945,45.502) 127.945,46.256 129.079,46.256 131.081,48.258 ccw(c129.285,50.054) 131.806,49.748 ccw(c131.804,50.502) 132.093,49.806 132.24,49.867 ccw(c131.951,50.563) 132.486,50.031 132.596,50.142 ccw(c132.064,50.676) 132.761,50.387 132.821,50.534 ccw(c132.125,50.823) 132.879,50.823 132.879,55.382 ccw(c132.125,55.382) 132.821,55.67 132.761,55.817 ccw(c132.064,55.529) 132.596,56.063 132.486,56.174 ccw(c131.951,55.641) 132.24,56.338 132.093,56.399 ccw(c131.804,55.702) 131.825,56.456 S40.2@131.825,56.502 ; S23.2@127.075,75.502 127.124,75.453 cw(c127.054,74.702) 127.343,75.399 127.49,75.338 cw(c127.201,74.641) 127.736,75.174 127.846,75.063 cw(c127.314,74.529) 128.011,74.817 128.071,74.67 cw(c127.375,74.382) 128.126,74.452 131.081,71.496 cw(c129.285,69.7) 131.621,70.698 131.621,69.823 ccw(c132.375,69.823) 131.678,69.534 131.739,69.387 ccw(c132.436,69.676) 131.825,69.234 131.825,65.256 cw(c131.804,64.502) 132.093,65.199 132.24,65.138 cw(c131.951,64.441) 132.486,64.974 132.596,64.863 cw(c132.064,64.329) 132.761,64.617 132.821,64.47 cw(c132.125,64.182) 132.879,64.182 132.879,59.623 cw(c132.125,59.623) 132.821,59.334 132.761,59.187 cw(c132.064,59.476) 132.596,58.942 132.486,58.831 cw(c131.951,59.363) 132.24,58.667 132.093,58.606 cw(c131.804,59.302) 131.825,58.549 S40.2@131.825,58.502 ; S23.2@127.075,77.502 127.124,77.552 ccw(c127.054,78.302) 127.343,77.606 127.49,77.667 ccw(c127.201,78.363) 127.736,77.831 127.846,77.942 ccw(c127.314,78.476) 128.011,78.187 128.071,78.334 ccw(c127.375,78.623) 128.126,78.553 131.621,82.048 131.621,83.182 cw(c132.375,83.182) 131.678,83.47 131.739,83.617 cw(c132.436,83.329) 131.904,83.863 132.014,83.974 cw(c132.548,83.441) 132.26,84.138 132.407,84.199 cw(c132.695,83.502) 132.695,84.256 133.829,84.256 135.831,86.258 ccw(c134.035,88.054) 136.556,87.748 ccw(c136.554,88.502) 136.843,87.806 136.99,87.867 ccw(c136.701,88.563) 137.236,88.031 137.346,88.142 ccw(c136.814,88.676) 137.511,88.387 137.571,88.534 ccw(c136.875,88.823) 137.629,88.823 137.629,93.382 ccw(c136.875,93.382) 137.571,93.67 137.511,93.817 ccw(c136.814,93.529) 137.346,94.063 137.236,94.174 ccw(c136.701,93.641) 136.99,94.338 136.843,94.399 ccw(c136.554,93.702) 136.575,94.456 S7.2@136.575,94.502 ; 128.644,28.122 129.122,27.644 129.208,27.375 129.208,27.337 129.208,26.458 ; 129.208,26.457 129.208,21.306 129.254,21.196 129.359,20.782 cw(c128.26,20.5) 129.318,20.09 ccw(c129.556,20) 129.318,19.91 cw(c128.26,19.5) 129.318,19.09 ccw(c129.556,19) 129.318,18.91 cw(c128.26,18.5) 129.34,18.151 129.252,17.879 129.208,17.757 129.208,14.603 ccw(c131.367,14.64) 129.97,12.994 135.28,12.994 v1(143.077,20.791)
  Bottom Layer w0.254: v1(143.077,20.791) U1.9@143.977,20.791
"Col 7": S8.2 S24.2 S41.2 S56.2 U1.10 | length 83.1
  Top Layer w0.254: S56.2@141.325,37.502 142,36.827 142,22.968 143.069,21.899 v1(143.077,21.899) ; S56.2@141.325,39.502 141.374,39.552 ccw(c141.304,40.302) 141.593,39.606 141.74,39.667 ccw(c141.451,40.363) 141.986,39.831 142.096,39.942 ccw(c141.564,40.476) 142.261,40.187 142.321,40.334 ccw(c141.625,40.623) 142.376,40.553 145.871,44.048 145.871,45.182 cw(c146.625,45.182) 145.928,45.47 145.989,45.617 cw(c146.686,45.329) 146.154,45.863 146.264,45.974 cw(c146.798,45.441) 146.51,46.138 146.657,46.199 cw(c146.945,45.502) 146.945,46.256 148.079,46.256 150.081,48.258 ccw(c148.285,50.054) 150.806,49.748 ccw(c150.804,50.502) 151.093,49.806 151.24,49.867 ccw(c150.951,50.563) 151.486,50.031 151.596,50.142 ccw(c151.064,50.676) 151.761,50.387 151.821,50.534 ccw(c151.125,50.823) 151.879,50.823 151.879,55.382 ccw(c151.125,55.382) 151.821,55.67 151.761,55.817 ccw(c151.064,55.529) 151.596,56.063 151.486,56.174 ccw(c150.951,55.641) 151.24,56.338 151.093,56.399 ccw(c150.804,55.702) 150.825,56.456 S41.2@150.825,56.502 ; S24.2@146.075,75.502 146.124,75.453 cw(c146.054,74.702) 146.343,75.399 146.49,75.338 cw(c146.201,74.641) 146.736,75.174 146.846,75.063 cw(c146.314,74.529) 147.011,74.817 147.071,74.67 cw(c146.375,74.382) 147.126,74.452 150.081,71.496 cw(c148.285,69.7) 150.621,70.698 150.621,69.823 ccw(c151.375,69.823) 150.678,69.534 150.739,69.387 ccw(c151.436,69.676) 150.825,69.234 150.825,65.256 cw(c150.804,64.502) 151.093,65.199 151.24,65.138 cw(c150.951,64.441) 151.486,64.974 151.596,64.863 cw(c151.064,64.329) 151.761,64.617 151.821,64.47 cw(c151.125,64.182) 151.879,64.182 151.879,59.623 cw(c151.125,59.623) 151.821,59.334 151.761,59.187 cw(c151.064,59.476) 151.596,58.942 151.486,58.831 cw(c150.951,59.363) 151.24,58.667 151.093,58.606 cw(c150.804,59.302) 150.825,58.549 S41.2@150.825,58.502 ; S24.2@146.075,77.502 146.124,77.552 ccw(c146.054,78.302) 146.343,77.606 146.49,77.667 ccw(c146.201,78.363) 146.736,77.831 146.846,77.942 ccw(c146.314,78.476) 147.011,78.187 147.071,78.334 ccw(c146.375,78.623) 147.126,78.553 150.621,82.048 150.621,83.182 cw(c151.375,83.182) 150.678,83.47 150.739,83.617 cw(c151.436,83.329) 150.904,83.863 151.014,83.974 cw(c151.548,83.441) 151.26,84.138 151.407,84.199 cw(c151.695,83.502) 151.695,84.256 152.829,84.256 154.831,86.258 ccw(c153.035,88.054) 155.556,87.748 ccw(c155.554,88.502) 155.843,87.806 155.99,87.867 ccw(c155.701,88.563) 156.236,88.031 156.346,88.142 ccw(c155.814,88.676) 156.511,88.387 156.571,88.534 ccw(c155.875,88.823) 156.629,88.823 156.629,93.382 ccw(c155.875,93.382) 156.571,93.67 156.511,93.817 ccw(c155.814,93.529) 156.346,94.063 156.236,94.174 ccw(c155.701,93.641) 155.99,94.338 155.843,94.399 ccw(c155.554,93.702) 155.575,94.456 S8.2@155.575,94.502
  Bottom Layer w0.254: v1(143.077,21.899) 143.969,21.899 U1.10@143.977,21.891
"Col 8": S9.2 S25.2 S42.2 S57.2 U1.17 | length 88.5
  Top Layer w0.254: v1(149.6,26.6) 152.134,29.134 153.801,29.134 155.842,31.175 160.44,31.175 160.587,31.236 160.952,31.601 160.952,36.875 S57.2@160.325,37.502 ; S57.2@160.325,39.502 160.374,39.552 ccw(c160.304,40.302) S57.2@160.593,39.606 ; S57.2@160.74,39.667 161.076,40.003 161.076,46.031 164.674,49.629 169.48,49.629 170.24,50.389 170.391,50.54 170.452,50.687 170.452,55.517 S42.2@170.24,56.337 ; S25.2@165.075,75.502 165.124,75.453 cw(c165.054,74.702) S25.2@165.343,75.399 ; S25.2@165.075,77.502 165.124,77.552 ccw(c165.054,78.302) S25.2@165.343,77.606 ; S25.2@165.49,75.338 cw(c165.201,74.641) 165.736,75.174 165.846,75.063 cw(c165.314,74.529) 166.011,74.817 166.071,74.67 cw(c165.375,74.382) 166.126,74.452 167.884,72.693 167.884,67.061 170.452,64.493 170.452,59.129 S42.2@169.825,58.502 ; S25.2@165.49,77.667 ccw(c165.201,78.363) 165.736,77.831 165.846,77.942 ccw(c165.314,78.476) 166.011,78.187 166.071,78.334 ccw(c165.375,78.623) 166.126,78.553 167.884,80.311 167.884,83.395 170.613,86.124 172.824,86.124 175.482,88.782 175.482,93.847 S9.2@174.99,94.338 ; S42.2@169.825,56.456 S42.2@169.825,56.502 ; S9.2@174.575,94.456 S9.2@174.575,94.502 S9.2@174.575,95.502 S9.2@174.575,96.502
  Bottom Layer w0.254: v1(149.6,26.6) 149.6,25.65 U1.17@149.65,25.6
"Col 9": S10.2 S26.2 S43.2 S58.2 S72.2 U1.18 | length 221.1
  Top Layer w0.254: v1(150.7,26.6) 152.853,28.753 153.959,28.753 156,30.794 160.598,30.794 160.745,30.855 161.457,31.568 161.457,45.873 164.832,49.248 169.648,49.248 170.9,50.5 170.9,64.584 168.265,67.219 168.265,83.237 170.771,85.743 173.004,85.743 175.968,88.707 175.968,94.273 175.6,94.64 v1(175.6,100.3) ; S72.2@168.3,20.498 168.414,20.611 168.414,20.822 168.265,20.971 168.185,20.971 168.038,21.032 167.734,21.336 167.673,21.483 167.673,26.313 167.734,26.46 168.038,26.764 168.185,26.825 174.627,26.825 178.551,30.748 179.304,30.748 ccw(c179.304,31.502) 179.593,30.806 179.74,30.867 ccw(c179.451,31.563) 179.986,31.031 180.096,31.142 ccw(c179.564,31.676) 180.261,31.387 180.321,31.534 ccw(c179.625,31.823) 180.379,31.823 180.379,36.382 ccw(c179.625,36.382) 180.321,36.67 180.261,36.817 ccw(c179.564,36.529) 180.096,37.063 179.986,37.174 ccw(c179.451,36.641) 179.74,37.338 179.593,37.399 ccw(c179.304,36.702) 179.325,37.456 S58.2@179.325,37.502 ; S58.2@179.325,39.502 179.952,40.129 179.952,45.422 180.349,45.819 183.895,45.819 184.332,46.256 186.171,46.256 186.471,46.556 186.929,46.556 187.104,46.382 188.875,46.382 189.004,46.253 190.281,46.253 190.605,46.578 190.605,47.065 190.6,47.071 190.6,53.715 190.595,53.765 190.581,53.838 189.761,55.817 ccw(c189.064,55.529) 189.596,56.063 189.486,56.174 ccw(c188.951,55.641) S43.2@189.24,56.338 ; S26.2@184.075,75.502 184.124,75.453 cw(c184.054,74.702) S26.2@184.343,75.399 ; S26.2@184.075,77.502 184.124,77.552 ccw(c184.054,78.302) 184.343,77.606 184.49,77.667 ccw(c184.201,78.363) 184.736,77.831 184.846,77.942 ccw(c184.314,78.476) 185.011,78.187 185.071,78.334 ccw(c184.375,78.623) 185.126,78.553 188.621,82.048 188.621,83.182 cw(c189.375,83.182) 188.678,83.47 188.739,83.617 cw(c189.436,83.329) 188.904,83.863 189.014,83.974 cw(c189.548,83.441) 189.26,84.138 189.407,84.199 cw(c189.695,83.502) 189.695,84.256 190.829,84.256 192.831,86.258 ccw(c191.035,88.054) 193.556,87.748 ccw(c193.554,88.502) 193.843,87.806 193.99,87.867 ccw(c193.701,88.563) 194.236,88.031 194.346,88.142 ccw(c193.814,88.676) 194.511,88.387 194.571,88.534 ccw(c193.875,88.823) 194.629,88.823 194.629,93.382 ccw(c193.875,93.382) 194.571,93.67 194.511,93.817 ccw(c193.814,93.529) 194.346,94.063 194.236,94.174 ccw(c193.701,93.641) 193.99,94.338 193.843,94.399 ccw(c193.554,93.702) 193.575,94.456 S10.2@193.575,94.502 S10.2@193.575,95.502 S10.2@193.575,96.502 ; S26.2@184.49,75.338 cw(c184.201,74.641) 184.736,75.174 184.846,75.063 cw(c184.314,74.529) 185.011,74.817 185.071,74.67 cw(c184.375,74.382) 185.126,74.452 188.081,71.496 cw(c186.285,69.7) 188.621,70.698 188.621,69.823 ccw(c189.375,69.823) 188.678,69.534 188.739,69.387 ccw(c189.436,69.676) 188.825,69.234 188.825,65.256 cw(c188.804,64.502) 189.093,65.199 189.24,65.138 cw(c188.951,64.441) 189.486,64.974 189.596,64.863 cw(c189.064,64.329) 189.761,64.617 189.821,64.47 cw(c189.125,64.182) 189.879,64.182 189.879,59.623 cw(c189.125,59.623) 189.821,59.334 189.761,59.187 cw(c189.064,59.476) 189.596,58.942 189.486,58.831 cw(c188.951,59.363) S43.2@189.24,58.667 ; S43.2@188.825,56.456 S43.2@188.825,56.502 ; S43.2@188.825,58.502 188.825,58.549 ccw(c188.804,59.302) S43.2@189.093,58.606
  Bottom Layer w0.254: v1(150.7,26.6) 150.7,25.65 U1.18@150.75,25.6 ; v1(175.6,100.3) 177.416,100.3 179.946,102.829 193.776,102.829 194.202,102.403 194.202,97.129 S10.2@193.575,96.502
"Col 10": S11.2 S27.2 S44.2 S59.2 U1.19 | length 207.2
  Top Layer w0.254: v1(151.8,26.6) 153.572,28.372 154.116,28.372 156.158,30.413 160.755,30.413 160.902,30.474 161.838,31.41 161.838,45.715 164.99,48.867 169.806,48.867 171.3,50.361 171.3,64.722 168.646,67.377 168.646,83.079 170.929,85.362 173.162,85.362 176.454,88.654 176.454,94.553 176.154,94.853 176.154,100.846 v1(176.1,100.9) ; S59.2@198.325,39.502 198.374,39.552 ccw(c198.304,40.302) S59.2@198.593,39.606 ; S59.2@198.74,39.667 ccw(c198.451,40.363) 198.986,39.831 199.096,39.942 ccw(c198.564,40.476) 199.261,40.187 199.321,40.334 ccw(c198.625,40.623) 199.376,40.553 202.871,44.048 202.871,45.182 cw(c203.625,45.182) 202.928,45.47 202.989,45.617 cw(c203.686,45.329) 203.154,45.863 203.264,45.974 cw(c203.798,45.441) 203.51,46.138 203.657,46.199 cw(c203.945,45.502) 203.945,46.256 205.171,46.256 205.501,46.586 205.624,46.586 205.954,46.917 205.954,47.132 207.806,48.984 207.806,49.813 208.23,50.237 208.524,50.237 208.821,50.534 ccw(c208.125,50.823) 208.879,50.823 208.879,55.382 ccw(c208.125,55.382) 208.821,55.67 208.761,55.817 ccw(c208.064,55.529) 208.596,56.063 208.486,56.174 ccw(c207.951,55.641) S44.2@208.24,56.338 ; S27.2@203.075,75.502 203.124,75.453 cw(c203.054,74.702) 203.343,75.399 203.49,75.338 cw(c203.201,74.641) 203.736,75.174 203.846,75.063 cw(c203.314,74.529) 204.011,74.817 204.071,74.67 cw(c203.375,74.382) 204.126,74.452 207.081,71.496 cw(c205.285,69.7) 207.621,70.698 207.621,69.823 ccw(c208.375,69.823) 207.678,69.534 207.739,69.387 ccw(c208.436,69.676) 207.825,69.234 207.825,65.256 cw(c207.804,64.502) 208.093,65.199 208.24,65.138 cw(c207.951,64.441) 208.486,64.974 208.596,64.863 cw(c208.064,64.329) 208.761,64.617 208.821,64.47 cw(c208.125,64.182) 208.879,64.182 208.879,59.623 cw(c208.125,59.623) 208.821,59.334 208.761,59.187 cw(c208.064,59.476) 208.596,58.942 208.486,58.831 cw(c207.951,59.363) 208.24,58.667 208.093,58.606 cw(c207.804,59.302) 207.825,58.549 S44.2@207.825,58.502 ; S27.2@203.075,77.502 203.124,77.552 ccw(c203.054,78.302) 203.343,77.606 203.49,77.667 ccw(c203.201,78.363) 203.736,77.831 203.846,77.942 ccw(c203.314,78.476) 204.011,78.187 204.071,78.334 ccw(c203.375,78.623) 204.126,78.553 207.621,82.048 207.621,83.182 cw(c208.375,83.182) 207.678,83.47 207.739,83.617 cw(c208.436,83.329) 207.904,83.863 208.014,83.974 cw(c208.548,83.441) 208.26,84.138 208.407,84.199 cw(c208.695,83.502) 208.695,84.256 209.829,84.256 211.831,86.258 ccw(c210.035,88.054) 212.556,87.748 ccw(c212.554,88.502) 212.843,87.806 212.99,87.867 ccw(c212.701,88.563) 213.236,88.031 213.346,88.142 ccw(c212.814,88.676) 213.511,88.387 213.571,88.534 ccw(c212.875,88.823) 213.629,88.823 213.629,93.382 ccw(c212.875,93.382) 213.571,93.67 213.511,93.817 ccw(c212.814,93.529) 213.346,94.063 213.236,94.174 ccw(c212.701,93.641) 212.99,94.338 212.843,94.399 ccw(c212.554,93.702) 212.575,94.456 S11.2@212.575,94.502 S11.2@212.575,95.502 S11.2@212.575,96.502 ; S44.2@207.825,56.456 S44.2@207.825,56.502
  Bottom Layer w0.254: v1(151.8,26.6) 151.8,25.65 U1.19@151.85,25.6 ; v1(176.1,100.9) 177.478,100.9 179.788,103.21 212.395,103.21 213.202,102.403 213.202,97.129 S11.2@212.575,96.502
"Col 11": S12.2 S28.2 S45.2 S60.2 U1.20 | length 223.3
  Top Layer w0.254: v1(152.9,26.6) 155.057,28.757 155.057,28.773 156.316,30.032 160.913,30.032 161.06,30.093 162.219,31.252 162.219,45.558 165.147,48.486 170.025,48.486 171.69,50.151 171.69,64.871 169.027,67.534 169.027,82.921 171.087,84.981 173.32,84.981 177,88.661 177,94.884 176.7,95.184 v1(176.7,101.5) ; S60.2@217.325,39.502 217.374,39.552 ccw(c217.304,40.302) S60.2@217.593,39.606 ; S60.2@217.74,39.667 ccw(c217.451,40.363) 217.986,39.831 218.096,39.942 ccw(c217.564,40.476) 218.261,40.187 218.321,40.334 ccw(c217.625,40.623) 218.376,40.553 221.871,44.048 221.871,45.182 cw(c222.625,45.182) 221.928,45.47 221.989,45.617 cw(c222.686,45.329) 222.154,45.863 222.264,45.974 cw(c222.798,45.441) 222.51,46.138 222.657,46.199 cw(c222.945,45.502) 222.945,46.256 224.079,46.256 226.081,48.258 ccw(c224.285,50.054) 226.709,49.297 226.709,49.774 227.879,50.944 227.879,55.382 ccw(c227.125,55.382) 227.821,55.67 227.761,55.817 ccw(c227.064,55.529) 227.596,56.063 227.486,56.174 ccw(c226.951,55.641) S45.2@227.24,56.338 ; S28.2@222.075,75.502 222.124,75.453 cw(c222.054,74.702) 222.343,75.399 222.49,75.338 cw(c222.201,74.641) 222.736,75.174 222.846,75.063 cw(c222.314,74.529) 223.011,74.817 223.071,74.67 cw(c222.375,74.382) 223.126,74.452 226.081,71.496 cw(c224.285,69.7) 226.621,70.698 226.621,69.823 ccw(c227.375,69.823) 226.678,69.534 226.739,69.387 ccw(c227.436,69.676) 226.825,69.234 226.825,65.256 cw(c226.804,64.502) 227.093,65.199 227.24,65.138 cw(c226.951,64.441) 227.486,64.974 227.596,64.863 cw(c227.064,64.329) 227.761,64.617 227.821,64.47 cw(c227.125,64.182) 227.879,64.182 227.879,59.623 cw(c227.125,59.623) 227.821,59.334 227.761,59.187 cw(c227.064,59.476) 227.596,58.942 227.486,58.831 cw(c226.951,59.363) 227.24,58.667 227.093,58.606 cw(c226.804,59.302) 226.825,58.549 S45.2@226.825,58.502 ; S28.2@222.075,77.502 222.124,77.552 ccw(c222.054,78.302) 222.343,77.606 222.49,77.667 ccw(c222.201,78.363) 222.736,77.831 222.846,77.942 ccw(c222.314,78.476) 223.011,78.187 223.071,78.334 ccw(c222.375,78.623) 223.126,78.553 226.621,82.048 226.621,83.182 cw(c227.375,83.182) 226.678,83.47 226.739,83.617 cw(c227.436,83.329) 226.904,83.863 227.014,83.974 cw(c227.548,83.441) 227.26,84.138 227.407,84.199 cw(c227.695,83.502) 227.695,84.256 228.829,84.256 230.831,86.258 ccw(c229.035,88.054) 231.556,87.748 ccw(c231.554,88.502) 231.843,87.806 231.99,87.867 ccw(c231.701,88.563) 232.236,88.031 232.346,88.142 ccw(c231.814,88.676) 232.511,88.387 232.571,88.534 ccw(c231.875,88.823) 232.629,88.823 232.629,93.382 ccw(c231.875,93.382) 232.571,93.67 232.511,93.817 ccw(c231.814,93.529) 232.346,94.063 232.236,94.174 ccw(c231.701,93.641) 231.99,94.338 231.843,94.399 ccw(c231.554,93.702) 231.575,94.456 S12.2@231.575,94.502 ; S45.2@226.825,56.456 S45.2@226.825,56.502
  Bottom Layer w0.254: v1(152.9,26.6) 152.9,25.65 U1.20@152.95,25.6 ; v1(176.7,101.5) 177.539,101.5 179.63,103.591 231.014,103.591 232.202,102.403 232.202,97.129 S12.2@231.575,96.502
"Col 12": S13.2 S29.2 S46.2 S61.2 S73.2 U1.21 | length 271.7
  Top Layer w0.254: v1(154,26.6) 155.438,28.038 155.438,28.616 156.474,29.651 161.071,29.651 161.218,29.712 162.6,31.094 162.6,45.4 165.305,48.105 170.183,48.105 172.071,49.993 172.071,65.029 169.408,67.692 169.408,82.764 171.244,84.6 173.478,84.6 177.6,88.722 177.6,95.191 177.3,95.491 177.3,102.054 v1(177.296,102.058) ; S61.2@236.325,37.502 236.374,37.453 cw(c236.304,36.702) 236.593,37.399 236.74,37.338 cw(c236.451,36.641) 236.986,37.174 237.096,37.063 cw(c236.564,36.529) 237.261,36.817 237.321,36.67 cw(c236.625,36.382) 237.376,36.452 240.871,32.956 240.871,31.823 ccw(c241.625,31.823) 240.928,31.534 240.989,31.387 ccw(c241.686,31.676) 241.154,31.142 241.264,31.031 ccw(c241.798,31.563) 241.51,30.867 241.657,30.806 ccw(c241.945,31.502) 241.945,30.748 243.079,30.748 246.571,27.256 250.554,27.256 cw(c250.554,26.502) 250.843,27.199 250.99,27.138 cw(c250.701,26.441) 251.236,26.974 251.346,26.863 cw(c250.814,26.329) 251.511,26.617 251.571,26.47 cw(c250.875,26.182) 251.629,26.182 251.629,21.623 cw(c250.875,21.623) 251.571,21.334 251.511,21.187 cw(c250.814,21.476) 251.346,20.942 251.236,20.831 cw(c250.701,21.363) 250.99,20.667 250.843,20.606 cw(c250.554,21.302) 250.575,20.549 S73.2@250.575,20.502 ; S61.2@236.325,39.502 236.374,39.552 ccw(c236.304,40.302) S61.2@236.593,39.606 ; S61.2@236.74,39.667 ccw(c236.451,40.363) 236.986,39.831 237.096,39.942 ccw(c236.564,40.476) 237.261,40.187 237.321,40.334 ccw(c236.625,40.623) 237.376,40.553 240.871,44.048 240.871,45.182 cw(c241.625,45.182) 240.928,45.47 240.989,45.617 cw(c241.686,45.329) 241.154,45.863 241.264,45.974 cw(c241.798,45.441) 241.51,46.138 241.657,46.199 cw(c241.945,45.502) 241.945,46.256 243.079,46.256 245.081,48.258 ccw(c243.285,50.054) 245.378,48.615 245.806,49.044 245.806,49.813 246.23,50.237 246.524,50.237 246.821,50.534 ccw(c246.125,50.823) 246.879,50.823 246.879,55.382 ccw(c246.125,55.382) 246.821,55.67 246.761,55.817 ccw(c246.064,55.529) 246.596,56.063 246.486,56.174 ccw(c245.951,55.641) S46.2@246.24,56.338 ; S29.2@241.075,75.502 241.124,75.453 cw(c241.054,74.702) 241.343,75.399 241.49,75.338 cw(c241.201,74.641) 241.736,75.174 241.846,75.063 cw(c241.314,74.529) 242.011,74.817 242.071,74.67 cw(c241.375,74.382) 242.126,74.452 245.081,71.496 cw(c243.285,69.7) 245.621,70.698 245.621,69.823 ccw(c246.375,69.823) 245.678,69.534 245.739,69.387 ccw(c246.436,69.676) 245.825,69.234 245.825,65.256 cw(c245.804,64.502) 246.093,65.199 246.24,65.138 cw(c245.951,64.441) 246.486,64.974 246.596,64.863 cw(c246.064,64.329) 246.761,64.617 246.821,64.47 cw(c246.125,64.182) 246.879,64.182 246.879,59.623 cw(c246.125,59.623) 246.821,59.334 246.761,59.187 cw(c246.064,59.476) 246.596,58.942 246.486,58.831 cw(c245.951,59.363) 246.24,58.667 246.093,58.606 cw(c245.804,59.302) 245.825,58.549 S46.2@245.825,58.502 ; S29.2@241.075,77.502 241.124,77.552 ccw(c241.054,78.302) 241.343,77.606 241.49,77.667 ccw(c241.201,78.363) 241.736,77.831 241.846,77.942 ccw(c241.314,78.476) 242.011,78.187 242.071,78.334 ccw(c241.375,78.623) 242.126,78.553 245.621,82.048 245.621,83.182 cw(c246.375,83.182) 245.678,83.47 245.739,83.617 cw(c246.436,83.329) 245.904,83.863 246.014,83.974 cw(c246.548,83.441) 246.26,84.138 246.407,84.199 cw(c246.695,83.502) 246.695,84.256 247.829,84.256 249.831,86.258 ccw(c248.035,88.054) 250.556,87.748 ccw(c250.554,88.502) 250.843,87.806 250.99,87.867 ccw(c250.701,88.563) 251.236,88.031 251.346,88.142 ccw(c250.814,88.676) 251.511,88.387 251.571,88.534 ccw(c250.875,88.823) 251.629,88.823 251.629,93.382 ccw(c250.875,93.382) 251.571,93.67 251.511,93.817 ccw(c250.814,93.529) 251.346,94.063 251.236,94.174 ccw(c250.701,93.641) 250.99,94.338 250.843,94.399 ccw(c250.554,93.702) 250.575,94.456 S13.2@250.575,94.502 S13.2@250.575,95.502 S13.2@250.575,96.502 ; S46.2@245.825,56.456 S46.2@245.825,56.502
  Bottom Layer w0.254: v1(154,26.6) 154,25.65 U1.21@154.05,25.6 ; v1(177.296,102.058) 177.363,102.124 177.624,102.124 179.5,104 249.605,104 251.202,102.403 251.202,97.129 S13.2@250.575,96.502